# KiCad board VME_Protoboard_220.kicad_pcb (continued)
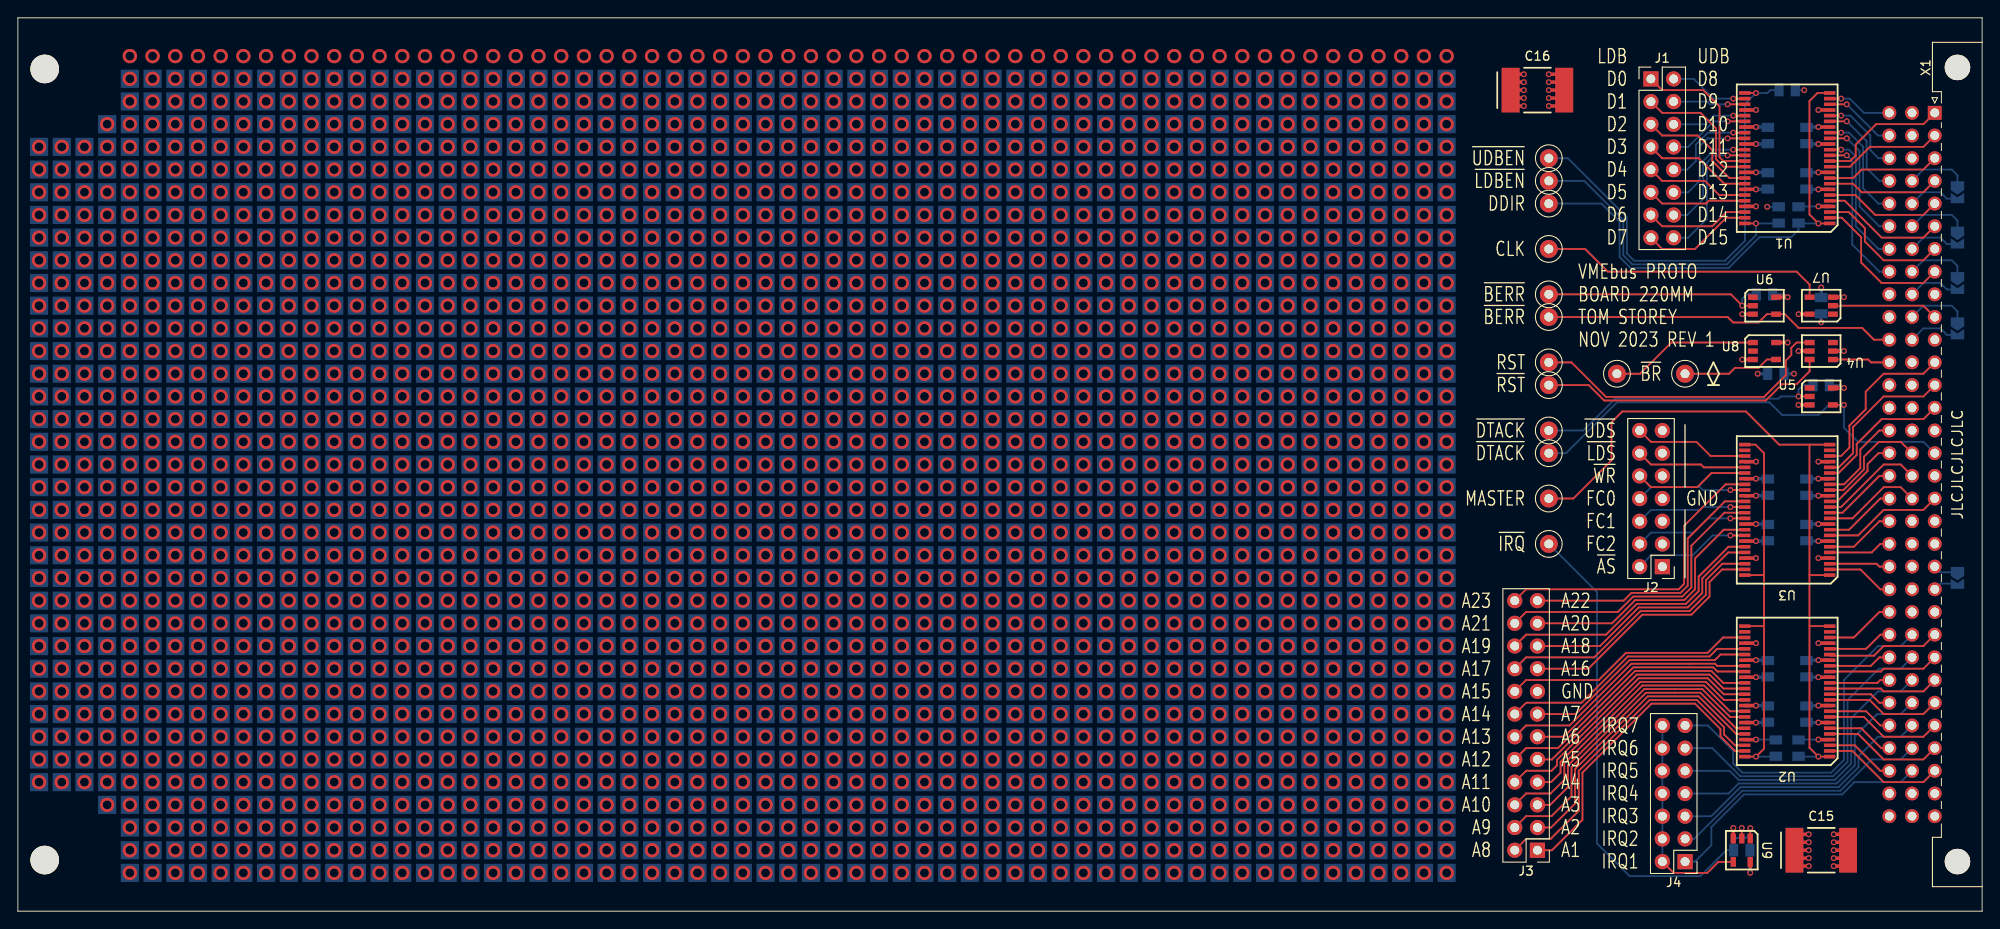
[diagram p0: board, top side]
## Routing (per net, layer and track width the routed paths; a pad name or vN(x,y) marks a point on that pad's centre or on a via; arc(x,y) is an arc through that point) (continued)
  vias: v1(2.37,85.56) v1(2.37,83.02) v1(2.37,80.48) v1(2.37,77.94) v1(2.37,75.4) v1(2.37,72.86) v1(2.37,70.32) v1(2.37,67.78) v1(2.37,65.24) v1(2.37,62.7) v1(2.37,60.16) v1(2.37,57.62) v1(2.37,55.08) v1(2.37,52.54) v1(2.37,50) v1(2.37,47.46) v1(2.37,44.92) v1(2.37,42.38) v1(2.37,39.84) v1(2.37,37.3) v1(2.37,34.76) v1(2.37,32.22) v1(2.37,29.68) v1(2.37,27.14) v1(2.37,24.6) v1(2.37,22.06) v1(2.37,19.52) v1(2.37,16.98) v1(2.37,14.44) v1(4.91,85.56) v1(4.91,83.02) v1(4.91,80.48) v1(4.91,77.94) v1(4.91,75.4) v1(4.91,72.86) v1(4.91,70.32) v1(4.91,67.78) v1(4.91,65.24) v1(4.91,62.7) v1(4.91,60.16) v1(4.91,57.62) v1(4.91,55.08) v1(4.91,52.54) v1(4.91,50) v1(4.91,47.46) v1(4.91,44.92) v1(4.91,42.38) v1(4.91,39.84) v1(4.91,37.3) v1(4.91,34.76) v1(4.91,32.22) v1(4.91,29.68) v1(4.91,27.14) v1(4.91,24.6) v1(4.91,22.06) v1(4.91,19.52) v1(4.91,16.98) v1(4.91,14.44) v1(7.45,85.56) v1(7.45,83.02) v1(7.45,80.48) v1(7.45,77.94) v1(7.45,75.4) v1(7.45,72.86) v1(7.45,70.32) v1(7.45,67.78) v1(7.45,65.24) v1(7.45,62.7) v1(7.45,60.16) v1(7.45,57.62) v1(7.45,55.08) v1(7.45,52.54) v1(7.45,50) v1(7.45,47.46) v1(7.45,44.92) v1(7.45,42.38) v1(7.45,39.84) v1(7.45,37.3) v1(7.45,34.76) v1(7.45,32.22) v1(7.45,29.68) v1(7.45,27.14) v1(7.45,24.6) v1(7.45,22.06) v1(7.45,19.52) v1(7.45,16.98) v1(7.45,14.44) v1(9.99,88.1) v1(9.99,85.56) v1(9.99,83.02) v1(9.99,80.48) v1(9.99,77.94) v1(9.99,75.4) v1(9.99,72.86) v1(9.99,70.32) v1(9.99,67.78) v1(9.99,65.24) v1(9.99,62.7) v1(9.99,60.16) v1(9.99,57.62) v1(9.99,55.08) v1(9.99,52.54) v1(9.99,50) v1(9.99,47.46) v1(9.99,44.92) v1(9.99,42.38) v1(9.99,39.84) v1(9.99,37.3) v1(9.99,34.76) v1(9.99,32.22) v1(9.99,29.68) v1(9.99,27.14) v1(9.99,24.6) v1(9.99,22.06) v1(9.99,19.52) v1(9.99,16.98) v1(9.99,14.44) v1(9.99,11.9) v1(12.53,93.18) v1(12.53,90.64) v1(12.53,88.1) v1(12.53,85.56) v1(12.53,83.02) v1(12.53,80.48) v1(12.53,77.94) v1(12.53,75.4) v1(12.53,72.86) v1(12.53,70.32) v1(12.53,67.78) v1(12.53,65.24) v1(12.53,62.7) v1(12.53,60.16) v1(12.53,57.62) v1(12.53,55.08) v1(12.53,52.54) v1(12.53,50) v1(12.53,47.46) v1(12.53,44.92) v1(12.53,42.38) v1(12.53,39.84) v1(12.53,37.3) v1(12.53,34.76) v1(12.53,32.22) v1(12.53,29.68) v1(12.53,27.14) v1(12.53,24.6) v1(12.53,22.06) v1(12.53,19.52) v1(12.53,16.98) v1(12.53,14.44) v1(12.53,11.9) v1(12.53,9.36) v1(12.53,6.82) v1(15.07,93.18) v1(15.07,90.64) v1(15.07,88.1) v1(15.07,85.56) v1(15.07,83.02) v1(15.07,80.48) v1(15.07,77.94) v1(15.07,75.4) v1(15.07,72.86) v1(15.07,70.32) v1(15.07,67.78) v1(15.07,65.24) v1(15.07,62.7) v1(15.07,60.16) v1(15.07,57.62) v1(15.07,55.08) v1(15.07,52.54) v1(15.07,50) v1(15.07,47.46) v1(15.07,44.92) v1(15.07,42.38) v1(15.07,39.84) v1(15.07,37.3) v1(15.07,34.76) v1(15.07,32.22) v1(15.07,29.68) v1(15.07,27.14) v1(15.07,24.6) v1(15.07,22.06) v1(15.07,19.52) v1(15.07,16.98) v1(15.07,14.44) v1(15.07,11.9) v1(15.07,9.36) v1(15.07,6.82) v1(17.61,93.18) v1(17.61,90.64) v1(17.61,88.1) v1(17.61,85.56) v1(17.61,83.02) v1(17.61,80.48) v1(17.61,77.94) v1(17.61,75.4) v1(17.61,72.86) v1(17.61,70.32) v1(17.61,67.78) v1(17.61,65.24) v1(17.61,62.7) v1(17.61,60.16) v1(17.61,57.62) v1(17.61,55.08) v1(17.61,52.54) v1(17.61,50) v1(17.61,47.46) v1(17.61,44.92) v1(17.61,42.38) v1(17.61,39.84) v1(17.61,37.3) v1(17.61,34.76) v1(17.61,32.22) v1(17.61,29.68) v1(17.61,27.14) v1(17.61,24.6) v1(17.61,22.06) v1(17.61,19.52) v1(17.61,16.98) v1(17.61,14.44) v1(17.61,11.9) v1(17.61,9.36) v1(17.61,6.82) v1(20.15,93.18) v1(20.15,90.64) v1(20.15,88.1) v1(20.15,85.56) v1(20.15,83.02) v1(20.15,80.48) v1(20.15,77.94) v1(20.15,75.4) v1(20.15,72.86) v1(20.15,70.32) v1(20.15,67.78) v1(20.15,65.24) v1(20.15,62.7) v1(20.15,60.16) v1(20.15,57.62) v1(20.15,55.08) v1(20.15,52.54) v1(20.15,50) v1(20.15,47.46) v1(20.15,44.92) v1(20.15,42.38) v1(20.15,39.84) v1(20.15,37.3) v1(20.15,34.76) v1(20.15,32.22) v1(20.15,29.68) v1(20.15,27.14) v1(20.15,24.6) v1(20.15,22.06) v1(20.15,19.52) v1(20.15,16.98) v1(20.15,14.44) v1(20.15,11.9) v1(20.15,9.36) v1(20.15,6.82) v1(22.69,93.18) v1(22.69,90.64) v1(22.69,88.1) v1(22.69,85.56) v1(22.69,83.02) v1(22.69,80.48) v1(22.69,77.94) v1(22.69,75.4) v1(22.69,72.86) v1(22.69,70.32) v1(22.69,67.78) v1(22.69,65.24) v1(22.69,62.7) v1(22.69,60.16) v1(22.69,57.62) v1(22.69,55.08) v1(22.69,52.54) v1(22.69,50) v1(22.69,47.46) v1(22.69,44.92) v1(22.69,42.38) v1(22.69,39.84) v1(22.69,37.3) v1(22.69,34.76) v1(22.69,32.22) v1(22.69,29.68) v1(22.69,27.14) v1(22.69,24.6) v1(22.69,22.06) v1(22.69,19.52) v1(22.69,16.98) v1(22.69,14.44) v1(22.69,11.9) v1(22.69,9.36) v1(22.69,6.82) v1(25.23,93.18) v1(25.23,90.64) v1(25.23,88.1) v1(25.23,85.56) v1(25.23,83.02) v1(25.23,80.48) v1(25.23,77.94) v1(25.23,75.4) v1(25.23,72.86) v1(25.23,70.32) v1(25.23,67.78) v1(25.23,65.24) v1(25.23,62.7) v1(25.23,60.16) v1(25.23,57.62) v1(25.23,55.08) v1(25.23,52.54) v1(25.23,50) v1(25.23,47.46) v1(25.23,44.92) v1(25.23,42.38) v1(25.23,39.84) v1(25.23,37.3) v1(25.23,34.76) v1(25.23,32.22) v1(25.23,29.68) v1(25.23,27.14) v1(25.23,24.6) v1(25.23,22.06) v1(25.23,19.52) v1(25.23,16.98) v1(25.23,14.44) v1(25.23,11.9) v1(25.23,9.36) v1(25.23,6.82) v1(27.77,93.18) v1(27.77,90.64) v1(27.77,88.1) v1(27.77,85.56) v1(27.77,83.02) v1(27.77,80.48) v1(27.77,77.94) v1(27.77,75.4) v1(27.77,72.86) v1(27.77,70.32) v1(27.77,67.78) v1(27.77,65.24) v1(27.77,62.7) v1(27.77,60.16) v1(27.77,57.62) v1(27.77,55.08) v1(27.77,52.54) v1(27.77,50) v1(27.77,47.46) v1(27.77,44.92) v1(27.77,42.38) v1(27.77,39.84) v1(27.77,37.3) v1(27.77,34.76) v1(27.77,32.22) v1(27.77,29.68) v1(27.77,27.14) v1(27.77,24.6) v1(27.77,22.06) v1(27.77,19.52) v1(27.77,16.98) v1(27.77,14.44) v1(27.77,11.9) v1(27.77,9.36) v1(27.77,6.82) v1(30.31,93.18) v1(30.31,90.64) v1(30.31,88.1) v1(30.31,85.56) v1(30.31,83.02) v1(30.31,80.48) v1(30.31,77.94) v1(30.31,75.4) v1(30.31,72.86) v1(30.31,70.32) v1(30.31,67.78) v1(30.31,65.24) v1(30.31,62.7) v1(30.31,60.16) v1(30.31,57.62) v1(30.31,55.08) v1(30.31,52.54) v1(30.31,50) v1(30.31,47.46) v1(30.31,44.92) v1(30.31,42.38) v1(30.31,39.84) v1(30.31,37.3) v1(30.31,34.76) v1(30.31,32.22) v1(30.31,29.68) v1(30.31,27.14) v1(30.31,24.6) v1(30.31,22.06) v1(30.31,19.52) v1(30.31,16.98) v1(30.31,14.44) v1(30.31,11.9) v1(30.31,9.36) v1(30.31,6.82) v1(32.85,93.18) v1(32.85,90.64) v1(32.85,88.1) v1(32.85,85.56) v1(32.85,83.02) v1(32.85,80.48) v1(32.85,77.94) v1(32.85,75.4) v1(32.85,72.86) v1(32.85,70.32) v1(32.85,67.78) v1(32.85,65.24) v1(32.85,62.7) v1(32.85,60.16) v1(32.85,57.62) v1(32.85,55.08) v1(32.85,52.54) v1(32.85,50) v1(32.85,47.46) v1(32.85,44.92) v1(32.85,42.38) v1(32.85,39.84) v1(32.85,37.3) v1(32.85,34.76) v1(32.85,32.22) v1(32.85,29.68) v1(32.85,27.14) v1(32.85,24.6) v1(32.85,22.06) v1(32.85,19.52) v1(32.85,16.98) v1(32.85,14.44) v1(32.85,11.9) v1(32.85,9.36) v1(32.85,6.82) v1(35.39,93.18) v1(35.39,90.64) v1(35.39,88.1) v1(35.39,85.56) v1(35.39,83.02) v1(35.39,80.48) v1(35.39,77.94) v1(35.39,75.4) v1(35.39,72.86) v1(35.39,70.32) v1(35.39,67.78) v1(35.39,65.24) v1(35.39,62.7) v1(35.39,60.16) v1(35.39,57.62) v1(35.39,55.08) v1(35.39,52.54) v1(35.39,50) v1(35.39,47.46) v1(35.39,44.92) v1(35.39,42.38) v1(35.39,39.84) v1(35.39,37.3) v1(35.39,34.76) v1(35.39,32.22) v1(35.39,29.68) v1(35.39,27.14) v1(35.39,24.6) v1(35.39,22.06) v1(35.39,19.52) v1(35.39,16.98) v1(35.39,14.44) v1(35.39,11.9) v1(35.39,9.36) v1(35.39,6.82) v1(37.93,93.18) v1(37.93,90.64) v1(37.93,88.1) v1(37.93,85.56) v1(37.93,83.02) v1(37.93,80.48) v1(37.93,77.94) v1(37.93,75.4) v1(37.93,72.86) v1(37.93,70.32) v1(37.93,67.78) v1(37.93,65.24) v1(37.93,62.7) v1(37.93,60.16) v1(37.93,57.62) v1(37.93,55.08) v1(37.93,52.54) v1(37.93,50) v1(37.93,47.46) v1(37.93,44.92) v1(37.93,42.38) v1(37.93,39.84) v1(37.93,37.3) v1(37.93,34.76) v1(37.93,32.22) v1(37.93,29.68) v1(37.93,27.14) v1(37.93,24.6) v1(37.93,22.06) v1(37.93,19.52) v1(37.93,16.98) v1(37.93,14.44) v1(37.93,11.9) v1(37.93,9.36) v1(37.93,6.82) v1(40.47,93.18) v1(40.47,90.64) v1(40.47,88.1) v1(40.47,85.56) v1(40.47,83.02) v1(40.47,80.48) v1(40.47,77.94) v1(40.47,75.4) v1(40.47,72.86) v1(40.47,70.32) v1(40.47,67.78) v1(40.47,65.24) v1(40.47,62.7) v1(40.47,60.16) v1(40.47,57.62) v1(40.47,55.08) v1(40.47,52.54) v1(40.47,50) v1(40.47,47.46) v1(40.47,44.92) v1(40.47,42.38) v1(40.47,39.84) v1(40.47,37.3) v1(40.47,34.76) v1(40.47,32.22) v1(40.47,29.68) v1(40.47,27.14) v1(40.47,24.6) v1(40.47,22.06) v1(40.47,19.52) v1(40.47,16.98) v1(40.47,14.44) v1(40.47,11.9) v1(40.47,9.36) v1(40.47,6.82) v1(43.01,93.18) v1(43.01,90.64) v1(43.01,88.1) v1(43.01,85.56) v1(43.01,83.02) v1(43.01,80.48) v1(43.01,77.94) v1(43.01,75.4) v1(43.01,72.86) v1(43.01,70.32) v1(43.01,67.78) v1(43.01,65.24) v1(43.01,62.7) v1(43.01,60.16) v1(43.01,57.62) v1(43.01,55.08) v1(43.01,52.54) v1(43.01,50) v1(43.01,47.46) v1(43.01,44.92) v1(43.01,42.38) v1(43.01,39.84) v1(43.01,37.3) v1(43.01,34.76) v1(43.01,32.22) v1(43.01,29.68) v1(43.01,27.14) v1(43.01,24.6) v1(43.01,22.06) v1(43.01,19.52) v1(43.01,16.98) v1(43.01,14.44) v1(43.01,11.9) v1(43.01,9.36) v1(43.01,6.82) v1(45.55,93.18) v1(45.55,90.64) v1(45.55,88.1) v1(45.55,85.56) v1(45.55,83.02) v1(45.55,80.48) v1(45.55,77.94) v1(45.55,75.4) v1(45.55,72.86) v1(45.55,70.32) v1(45.55,67.78) v1(45.55,65.24) v1(45.55,62.7) v1(45.55,60.16) v1(45.55,57.62) v1(45.55,55.08) v1(45.55,52.54) v1(45.55,50) v1(45.55,47.46) v1(45.55,44.92) v1(45.55,42.38) v1(45.55,39.84) v1(45.55,37.3) v1(45.55,34.76) v1(45.55,32.22) v1(45.55,29.68) v1(45.55,27.14) v1(45.55,24.6) v1(45.55,22.06) v1(45.55,19.52) v1(45.55,16.98) v1(45.55,14.44) v1(45.55,11.9) v1(45.55,9.36) v1(45.55,6.82) v1(48.09,93.18) v1(48.09,90.64) v1(48.09,88.1) v1(48.09,85.56) v1(48.09,83.02) v1(48.09,80.48) v1(48.09,77.94) v1(48.09,75.4) v1(48.09,72.86) v1(48.09,70.32) v1(48.09,67.78) v1(48.09,65.24) v1(48.09,62.7) v1(48.09,60.16) v1(48.09,57.62) v1(48.09,55.08) v1(48.09,52.54) v1(48.09,50) v1(48.09,47.46) v1(48.09,44.92) v1(48.09,42.38) v1(48.09,39.84) v1(48.09,37.3) v1(48.09,34.76) v1(48.09,32.22) v1(48.09,29.68) v1(48.09,27.14) v1(48.09,24.6) v1(48.09,22.06) v1(48.09,19.52) v1(48.09,16.98) v1(48.09,14.44) v1(48.09,11.9) v1(48.09,9.36) v1(48.09,6.82) v1(50.63,93.18) v1(50.63,90.64) v1(50.63,88.1) v1(50.63,85.56) v1(50.63,83.02) v1(50.63,80.48) v1(50.63,77.94) v1(50.63,75.4) v1(50.63,72.86) v1(50.63,70.32) v1(50.63,67.78) v1(50.63,65.24) v1(50.63,62.7) v1(50.63,60.16) v1(50.63,57.62) v1(50.63,55.08) v1(50.63,52.54) v1(50.63,50) v1(50.63,47.46) v1(50.63,44.92) v1(50.63,42.38) v1(50.63,39.84) v1(50.63,37.3) v1(50.63,34.76) v1(50.63,32.22) v1(50.63,29.68) v1(50.63,27.14) v1(50.63,24.6) v1(50.63,22.06) v1(50.63,19.52) v1(50.63,16.98) v1(50.63,14.44) v1(50.63,11.9) v1(50.63,9.36) v1(50.63,6.82) v1(53.17,93.18) v1(53.17,90.64) v1(53.17,88.1) v1(53.17,85.56) v1(53.17,83.02) v1(53.17,80.48) v1(53.17,77.94) v1(53.17,75.4) v1(53.17,72.86) v1(53.17,70.32) v1(53.17,67.78) v1(53.17,65.24) v1(53.17,62.7) v1(53.17,60.16) v1(53.17,57.62) v1(53.17,55.08) v1(53.17,52.54) v1(53.17,50) v1(53.17,47.46) v1(53.17,44.92) v1(53.17,42.38) v1(53.17,39.84) v1(53.17,37.3) v1(53.17,34.76) v1(53.17,32.22) v1(53.17,29.68) v1(53.17,27.14) v1(53.17,24.6) v1(53.17,22.06) v1(53.17,19.52) v1(53.17,16.98) v1(53.17,14.44) v1(53.17,11.9) v1(53.17,9.36) v1(53.17,6.82) v1(55.71,93.18) v1(55.71,90.64) v1(55.71,88.1) v1(55.71,85.56) v1(55.71,83.02) v1(55.71,80.48) v1(55.71,77.94) v1(55.71,75.4) v1(55.71,72.86) v1(55.71,70.32) v1(55.71,67.78) v1(55.71,65.24) v1(55.71,62.7) v1(55.71,60.16) v1(55.71,57.62) v1(55.71,55.08) v1(55.71,52.54) v1(55.71,50) v1(55.71,47.46) v1(55.71,44.92) v1(55.71,42.38) v1(55.71,39.84) v1(55.71,37.3) v1(55.71,34.76) v1(55.71,32.22) v1(55.71,29.68) v1(55.71,27.14) v1(55.71,24.6) v1(55.71,22.06) v1(55.71,19.52) v1(55.71,16.98) v1(55.71,14.44) v1(55.71,11.9) v1(55.71,9.36) v1(55.71,6.82) v1(58.25,93.18) v1(58.25,90.64) v1(58.25,88.1) v1(58.25,85.56) v1(58.25,83.02) v1(58.25,80.48) v1(58.25,77.94) v1(58.25,75.4) v1(58.25,72.86) v1(58.25,70.32) v1(58.25,67.78) v1(58.25,65.24) v1(58.25,62.7) v1(58.25,60.16) v1(58.25,57.62) v1(58.25,55.08) v1(58.25,52.54) v1(58.25,50) v1(58.25,47.46) v1(58.25,44.92) v1(58.25,42.38) v1(58.25,39.84) v1(58.25,37.3) v1(58.25,34.76) v1(58.25,32.22) v1(58.25,29.68) v1(58.25,27.14) v1(58.25,24.6) v1(58.25,22.06) v1(58.25,19.52) v1(58.25,16.98) v1(58.25,14.44) v1(58.25,11.9) v1(58.25,9.36) v1(58.25,6.82) v1(60.79,93.18) v1(60.79,90.64) v1(60.79,88.1) v1(60.79,85.56) v1(60.79,83.02) v1(60.79,80.48) v1(60.79,77.94) v1(60.79,75.4) v1(60.79,72.86) v1(60.79,70.32) v1(60.79,67.78) v1(60.79,65.24) v1(60.79,62.7) v1(60.79,60.16) v1(60.79,57.62) v1(60.79,55.08) v1(60.79,52.54) v1(60.79,50) v1(60.79,47.46) v1(60.79,44.92) v1(60.79,42.38) v1(60.79,39.84) v1(60.79,37.3) v1(60.79,34.76) v1(60.79,32.22) v1(60.79,29.68) v1(60.79,27.14) v1(60.79,24.6) v1(60.79,22.06) v1(60.79,19.52) v1(60.79,16.98) v1(60.79,14.44) v1(60.79,11.9) v1(60.79,9.36) v1(60.79,6.82) v1(63.33,93.18) v1(63.33,90.64) v1(63.33,88.1) v1(63.33,85.56) v1(63.33,83.02) v1(63.33,80.48) v1(63.33,77.94) v1(63.33,75.4) v1(63.33,72.86) v1(63.33,70.32) v1(63.33,67.78) v1(63.33,65.24) v1(63.33,62.7) v1(63.33,60.16) v1(63.33,57.62) v1(63.33,55.08) v1(63.33,52.54) v1(63.33,50) v1(63.33,47.46) v1(63.33,44.92) v1(63.33,42.38) v1(63.33,39.84) v1(63.33,37.3) v1(63.33,34.76) v1(63.33,32.22) v1(63.33,29.68) v1(63.33,27.14) v1(63.33,24.6) v1(63.33,22.06) v1(63.33,19.52) v1(63.33,16.98) v1(63.33,14.44) v1(63.33,11.9) v1(63.33,9.36) v1(63.33,6.82) v1(65.87,93.18) v1(65.87,90.64) v1(65.87,88.1) v1(65.87,85.56) v1(65.87,83.02) v1(65.87,80.48) v1(65.87,77.94) v1(65.87,75.4) v1(65.87,72.86) v1(65.87,70.32) v1(65.87,67.78) v1(65.87,65.24) v1(65.87,62.7) v1(65.87,60.16) v1(65.87,57.62) v1(65.87,55.08) v1(65.87,52.54) v1(65.87,50) v1(65.87,47.46) v1(65.87,44.92) v1(65.87,42.38) v1(65.87,39.84) v1(65.87,37.3) v1(65.87,34.76) v1(65.87,32.22) v1(65.87,29.68) v1(65.87,27.14) v1(65.87,24.6) v1(65.87,22.06) v1(65.87,19.52) v1(65.87,16.98) v1(65.87,14.44) v1(65.87,11.9) v1(65.87,9.36) v1(65.87,6.82) v1(68.41,93.18) v1(68.41,90.64) v1(68.41,88.1) v1(68.41,85.56) v1(68.41,83.02) v1(68.41,80.48) v1(68.41,77.94) v1(68.41,75.4) v1(68.41,72.86) v1(68.41,70.32) v1(68.41,67.78) v1(68.41,65.24) v1(68.41,62.7) v1(68.41,60.16) v1(68.41,57.62) v1(68.41,55.08) v1(68.41,52.54) v1(68.41,50) v1(68.41,47.46) v1(68.41,44.92) v1(68.41,42.38) v1(68.41,39.84) v1(68.41,37.3) v1(68.41,34.76) v1(68.41,32.22) v1(68.41,29.68) v1(68.41,27.14) v1(68.41,24.6) v1(68.41,22.06) v1(68.41,19.52) v1(68.41,16.98) v1(68.41,14.44) v1(68.41,11.9) v1(68.41,9.36) v1(68.41,6.82) v1(70.95,93.18) v1(70.95,90.64) v1(70.95,88.1) v1(70.95,85.56) v1(70.95,83.02) v1(70.95,80.48) v1(70.95,77.94) v1(70.95,75.4) v1(70.95,72.86) v1(70.95,70.32) v1(70.95,67.78) v1(70.95,65.24) v1(70.95,62.7) v1(70.95,60.16) v1(70.95,57.62) v1(70.95,55.08) v1(70.95,52.54) v1(70.95,50) v1(70.95,47.46) v1(70.95,44.92) v1(70.95,42.38) v1(70.95,39.84) v1(70.95,37.3) v1(70.95,34.76) v1(70.95,32.22) v1(70.95,29.68) v1(70.95,27.14) v1(70.95,24.6) v1(70.95,22.06) v1(70.95,19.52) v1(70.95,16.98) v1(70.95,14.44) v1(70.95,11.9) v1(70.95,9.36) v1(70.95,6.82) v1(73.49,93.18) v1(73.49,90.64) v1(73.49,88.1) v1(73.49,85.56) v1(73.49,83.02) v1(73.49,80.48) v1(73.49,77.94) v1(73.49,75.4) v1(73.49,72.86) v1(73.49,70.32) v1(73.49,67.78) v1(73.49,65.24) v1(73.49,62.7) v1(73.49,60.16) v1(73.49,57.62) v1(73.49,55.08) v1(73.49,52.54) v1(73.49,50) v1(73.49,47.46) v1(73.49,44.92) v1(73.49,42.38) v1(73.49,39.84) v1(73.49,37.3) v1(73.49,34.76) v1(73.49,32.22) v1(73.49,29.68) v1(73.49,27.14) v1(73.49,24.6) v1(73.49,22.06) v1(73.49,19.52) v1(73.49,16.98) v1(73.49,14.44) v1(73.49,11.9) v1(73.49,9.36) v1(73.49,6.82) v1(76.03,93.18) v1(76.03,90.64) v1(76.03,88.1) v1(76.03,85.56) v1(76.03,83.02) v1(76.03,80.48) v1(76.03,77.94) v1(76.03,75.4) v1(76.03,72.86) v1(76.03,70.32) v1(76.03,67.78) v1(76.03,65.24) v1(76.03,62.7) v1(76.03,60.16) v1(76.03,57.62) v1(76.03,55.08) v1(76.03,52.54) v1(76.03,50) v1(76.03,47.46) v1(76.03,44.92) v1(76.03,42.38) v1(76.03,39.84) v1(76.03,37.3) v1(76.03,34.76) v1(76.03,32.22) v1(76.03,29.68) v1(76.03,27.14) v1(76.03,24.6) v1(76.03,22.06) v1(76.03,19.52) v1(76.03,16.98) v1(76.03,14.44) v1(76.03,11.9) v1(76.03,9.36) v1(76.03,6.82) v1(78.57,93.18) v1(78.57,90.64) v1(78.57,88.1) v1(78.57,85.56) v1(78.57,83.02) v1(78.57,80.48) v1(78.57,77.94) v1(78.57,75.4) v1(78.57,72.86) v1(78.57,70.32) v1(78.57,67.78) v1(78.57,65.24) v1(78.57,62.7) v1(78.57,60.16) v1(78.57,57.62) v1(78.57,55.08) v1(78.57,52.54) v1(78.57,50) v1(78.57,47.46) v1(78.57,44.92) v1(78.57,42.38) v1(78.57,39.84) v1(78.57,37.3) v1(78.57,34.76) v1(78.57,32.22) v1(78.57,29.68) v1(78.57,27.14) v1(78.57,24.6) v1(78.57,22.06) v1(78.57,19.52) v1(78.57,16.98) v1(78.57,14.44) v1(78.57,11.9) v1(78.57,9.36) v1(78.57,6.82) v1(81.11,93.18) v1(81.11,90.64) v1(81.11,88.1) v1(81.11,85.56) v1(81.11,83.02) v1(81.11,80.48) v1(81.11,77.94) v1(81.11,75.4) v1(81.11,72.86) v1(81.11,70.32) v1(81.11,67.78) v1(81.11,65.24) v1(81.11,62.7) v1(81.11,60.16) v1(81.11,57.62) v1(81.11,55.08) v1(81.11,52.54) v1(81.11,50) v1(81.11,47.46) v1(81.11,44.92) v1(81.11,42.38) v1(81.11,39.84) v1(81.11,37.3) v1(81.11,34.76) v1(81.11,32.22) v1(81.11,29.68) v1(81.11,27.14) v1(81.11,24.6) v1(81.11,22.06) v1(81.11,19.52) v1(81.11,16.98) v1(81.11,14.44) v1(81.11,11.9) v1(81.11,9.36) v1(81.11,6.82) v1(83.65,93.18) v1(83.65,90.64) v1(83.65,88.1) v1(83.65,85.56) v1(83.65,83.02) v1(83.65,80.48) v1(83.65,77.94) v1(83.65,75.4) v1(83.65,72.86) v1(83.65,70.32) v1(83.65,67.78) v1(83.65,65.24) v1(83.65,62.7) v1(83.65,60.16) v1(83.65,57.62) v1(83.65,55.08) v1(83.65,52.54) v1(83.65,50) v1(83.65,47.46) v1(83.65,44.92) v1(83.65,42.38) v1(83.65,39.84) v1(83.65,37.3) v1(83.65,34.76) v1(83.65,32.22) v1(83.65,29.68) v1(83.65,27.14) v1(83.65,24.6) v1(83.65,22.06) v1(83.65,19.52) v1(83.65,16.98) v1(83.65,14.44) v1(83.65,11.9) v1(83.65,9.36) v1(83.65,6.82) v1(86.19,93.18) v1(86.19,90.64) v1(86.19,88.1) v1(86.19,85.56) v1(86.19,83.02) v1(86.19,80.48) v1(86.19,77.94) v1(86.19,75.4) v1(86.19,72.86) v1(86.19,70.32) v1(86.19,67.78) v1(86.19,65.24) v1(86.19,62.7) v1(86.19,60.16) v1(86.19,57.62) v1(86.19,55.08) v1(86.19,52.54) v1(86.19,50) v1(86.19,47.46) v1(86.19,44.92) v1(86.19,42.38) v1(86.19,39.84) v1(86.19,37.3) v1(86.19,34.76) v1(86.19,32.22) v1(86.19,29.68) v1(86.19,27.14) v1(86.19,24.6) v1(86.19,22.06) v1(86.19,19.52) v1(86.19,16.98) v1(86.19,14.44) v1(86.19,11.9) v1(86.19,9.36) v1(86.19,6.82) v1(88.73,93.18) v1(88.73,90.64) v1(88.73,88.1) v1(88.73,85.56) v1(88.73,83.02) v1(88.73,80.48) v1(88.73,77.94) v1(88.73,75.4) v1(88.73,72.86) v1(88.73,70.32) v1(88.73,67.78) v1(88.73,65.24) v1(88.73,62.7) v1(88.73,60.16) v1(88.73,57.62) v1(88.73,55.08) v1(88.73,52.54) v1(88.73,50) v1(88.73,47.46) v1(88.73,44.92) v1(88.73,42.38) v1(88.73,39.84) v1(88.73,37.3) v1(88.73,34.76) v1(88.73,32.22) v1(88.73,29.68) v1(88.73,27.14) v1(88.73,24.6) v1(88.73,22.06) v1(88.73,19.52) v1(88.73,16.98) v1(88.73,14.44) v1(88.73,11.9) v1(88.73,9.36) v1(88.73,6.82) v1(91.27,93.18) v1(91.27,90.64) v1(91.27,88.1) v1(91.27,85.56) v1(91.27,83.02) v1(91.27,80.48) v1(91.27,77.94) v1(91.27,75.4) v1(91.27,72.86) v1(91.27,70.32) v1(91.27,67.78) v1(91.27,65.24) v1(91.27,62.7) v1(91.27,60.16) v1(91.27,57.62) v1(91.27,55.08) v1(91.27,52.54) v1(91.27,50) v1(91.27,47.46) v1(91.27,44.92) v1(91.27,42.38) v1(91.27,39.84) v1(91.27,37.3) v1(91.27,34.76) v1(91.27,32.22) v1(91.27,29.68) v1(91.27,27.14) v1(91.27,24.6) v1(91.27,22.06) v1(91.27,19.52) v1(91.27,16.98) v1(91.27,14.44) v1(91.27,11.9) v1(91.27,9.36) v1(91.27,6.82) v1(93.81,93.18) v1(93.81,90.64) v1(93.81,88.1) v1(93.81,85.56) v1(93.81,83.02) v1(93.81,80.48) v1(93.81,77.94) v1(93.81,75.4) v1(93.81,72.86) v1(93.81,70.32) v1(93.81,67.78) v1(93.81,65.24) v1(93.81,62.7) v1(93.81,60.16) v1(93.81,57.62) v1(93.81,55.08) v1(93.81,52.54) v1(93.81,50) v1(93.81,47.46) v1(93.81,44.92) v1(93.81,42.38) v1(93.81,39.84) v1(93.81,37.3) v1(93.81,34.76) v1(93.81,32.22) v1(93.81,29.68) v1(93.81,27.14) v1(93.81,24.6) v1(93.81,22.06) v1(93.81,19.52) v1(93.81,16.98) v1(93.81,14.44) v1(93.81,11.9) v1(93.81,9.36) v1(93.81,6.82) v1(96.35,93.18) v1(96.35,90.64) v1(96.35,88.1) v1(96.35,85.56) v1(96.35,83.02) v1(96.35,80.48) v1(96.35,77.94) v1(96.35,75.4) v1(96.35,72.86) v1(96.35,70.32) v1(96.35,67.78) v1(96.35,65.24) v1(96.35,62.7) v1(96.35,60.16) v1(96.35,57.62) v1(96.35,55.08) v1(96.35,52.54) v1(96.35,50) v1(96.35,47.46) v1(96.35,44.92) v1(96.35,42.38) v1(96.35,39.84) v1(96.35,37.3) v1(96.35,34.76) v1(96.35,32.22) v1(96.35,29.68) v1(96.35,27.14) v1(96.35,24.6) v1(96.35,22.06) v1(96.35,19.52) v1(96.35,16.98) v1(96.35,14.44) v1(96.35,11.9) v1(96.35,9.36) v1(96.35,6.82) v1(98.89,93.18) v1(98.89,90.64) v1(98.89,88.1) v1(98.89,85.56) v1(98.89,83.02) v1(98.89,80.48) v1(98.89,77.94) v1(98.89,75.4) v1(98.89,72.86) v1(98.89,70.32) v1(98.89,67.78) v1(98.89,65.24) v1(98.89,62.7) v1(98.89,60.16) v1(98.89,57.62) v1(98.89,55.08) v1(98.89,52.54) v1(98.89,50) v1(98.89,47.46) v1(98.89,44.92) v1(98.89,42.38) v1(98.89,39.84) v1(98.89,37.3) v1(98.89,34.76) v1(98.89,32.22) v1(98.89,29.68) v1(98.89,27.14) v1(98.89,24.6) v1(98.89,22.06) v1(98.89,19.52) v1(98.89,16.98) v1(98.89,14.44) v1(98.89,11.9) v1(98.89,9.36) v1(98.89,6.82) v1(101.43,93.18) v1(101.43,90.64) v1(101.43,88.1) v1(101.43,85.56) v1(101.43,83.02) v1(101.43,80.48) v1(101.43,77.94) v1(101.43,75.4) v1(101.43,72.86) v1(101.43,70.32) v1(101.43,67.78) v1(101.43,65.24) v1(101.43,62.7) v1(101.43,60.16) v1(101.43,57.62) v1(101.43,55.08) v1(101.43,52.54) v1(101.43,50) v1(101.43,47.46) v1(101.43,44.92) v1(101.43,42.38) v1(101.43,39.84) v1(101.43,37.3) v1(101.43,34.76) v1(101.43,32.22) v1(101.43,29.68) v1(101.43,27.14) v1(101.43,24.6) v1(101.43,22.06) v1(101.43,19.52) v1(101.43,16.98) v1(101.43,14.44) v1(101.43,11.9) v1(101.43,9.36) v1(101.43,6.82) v1(103.97,93.18) v1(103.97,90.64) v1(103.97,88.1) v1(103.97,85.56) v1(103.97,83.02) v1(103.97,80.48) v1(103.97,77.94) v1(103.97,75.4) v1(103.97,72.86) v1(103.97,70.32) v1(103.97,67.78) v1(103.97,65.24) v1(103.97,62.7) v1(103.97,60.16) v1(103.97,57.62) v1(103.97,55.08) v1(103.97,52.54) v1(103.97,50) v1(103.97,47.46) v1(103.97,44.92) v1(103.97,42.38) v1(103.97,39.84) v1(103.97,37.3) v1(103.97,34.76) v1(103.97,32.22) v1(103.97,29.68) v1(103.97,27.14) v1(103.97,24.6) v1(103.97,22.06) v1(103.97,19.52) v1(103.97,16.98) v1(103.97,14.44) v1(103.97,11.9) v1(103.97,9.36) v1(103.97,6.82) v1(106.51,93.18) v1(106.51,90.64) v1(106.51,88.1) v1(106.51,85.56) v1(106.51,83.02) v1(106.51,80.48) v1(106.51,77.94) v1(106.51,75.4) v1(106.51,72.86) v1(106.51,70.32) v1(106.51,67.78) v1(106.51,65.24) v1(106.51,62.7) v1(106.51,60.16) v1(106.51,57.62) v1(106.51,55.08) v1(106.51,52.54) v1(106.51,50) v1(106.51,47.46) v1(106.51,44.92) v1(106.51,42.38) v1(106.51,39.84) v1(106.51,37.3) v1(106.51,34.76) v1(106.51,32.22) v1(106.51,29.68) v1(106.51,27.14) v1(106.51,24.6) v1(106.51,22.06) v1(106.51,19.52) v1(106.51,16.98) v1(106.51,14.44) v1(106.51,11.9) v1(106.51,9.36) v1(106.51,6.82) v1(109.05,93.18) v1(109.05,90.64) v1(109.05,88.1) v1(109.05,85.56) v1(109.05,83.02) v1(109.05,80.48) v1(109.05,77.94) v1(109.05,75.4) v1(109.05,72.86) v1(109.05,70.32) v1(109.05,67.78) v1(109.05,65.24) v1(109.05,62.7) v1(109.05,60.16) v1(109.05,57.62) v1(109.05,55.08) v1(109.05,52.54) v1(109.05,50) v1(109.05,47.46) v1(109.05,44.92) v1(109.05,42.38) v1(109.05,39.84) v1(109.05,37.3) v1(109.05,34.76) v1(109.05,32.22) v1(109.05,29.68) v1(109.05,27.14) v1(109.05,24.6) v1(109.05,22.06) v1(109.05,19.52) v1(109.05,16.98) v1(109.05,14.44) v1(109.05,11.9) v1(109.05,9.36) v1(109.05,6.82) v1(111.59,93.18) v1(111.59,90.64) v1(111.59,88.1) v1(111.59,85.56) v1(111.59,83.02) v1(111.59,80.48) v1(111.59,77.94) v1(111.59,75.4) v1(111.59,72.86) v1(111.59,70.32) v1(111.59,67.78) v1(111.59,65.24) v1(111.59,62.7) v1(111.59,60.16) v1(111.59,57.62) v1(111.59,55.08) v1(111.59,52.54) v1(111.59,50) v1(111.59,47.46) v1(111.59,44.92) v1(111.59,42.38) v1(111.59,39.84) v1(111.59,37.3) v1(111.59,34.76) v1(111.59,32.22) v1(111.59,29.68) v1(111.59,27.14) v1(111.59,24.6) v1(111.59,22.06) v1(111.59,19.52) v1(111.59,16.98) v1(111.59,14.44) v1(111.59,11.9) v1(111.59,9.36) v1(111.59,6.82) v1(114.13,93.18) v1(114.13,90.64) v1(114.13,88.1) v1(114.13,85.56) v1(114.13,83.02) v1(114.13,80.48) v1(114.13,77.94) v1(114.13,75.4) v1(114.13,72.86) v1(114.13,70.32) v1(114.13,67.78) v1(114.13,65.24) v1(114.13,62.7) v1(114.13,60.16) v1(114.13,57.62) v1(114.13,55.08) v1(114.13,52.54) v1(114.13,50) v1(114.13,47.46) v1(114.13,44.92) v1(114.13,42.38) v1(114.13,39.84) v1(114.13,37.3) v1(114.13,34.76) v1(114.13,32.22) v1(114.13,29.68) v1(114.13,27.14) v1(114.13,24.6) v1(114.13,22.06) v1(114.13,19.52) v1(114.13,16.98) v1(114.13,14.44) v1(114.13,11.9) v1(114.13,9.36) v1(114.13,6.82) v1(116.67,93.18) v1(116.67,90.64) v1(116.67,88.1) v1(116.67,85.56) v1(116.67,83.02) v1(116.67,80.48) v1(116.67,77.94) v1(116.67,75.4) v1(116.67,72.86) v1(116.67,70.32) v1(116.67,67.78) v1(116.67,65.24) v1(116.67,62.7) v1(116.67,60.16) v1(116.67,57.62) v1(116.67,55.08) v1(116.67,52.54) v1(116.67,50) v1(116.67,47.46) v1(116.67,44.92) v1(116.67,42.38) v1(116.67,39.84) v1(116.67,37.3) v1(116.67,34.76) v1(116.67,32.22) v1(116.67,29.68) v1(116.67,27.14) v1(116.67,24.6) v1(116.67,22.06) v1(116.67,19.52) v1(116.67,16.98) v1(116.67,14.44) v1(116.67,11.9) v1(116.67,9.36) v1(116.67,6.82) v1(119.21,93.18) v1(119.21,90.64) v1(119.21,88.1) v1(119.21,85.56) v1(119.21,83.02) v1(119.21,80.48) v1(119.21,77.94) v1(119.21,75.4) v1(119.21,72.86) v1(119.21,70.32) v1(119.21,67.78) v1(119.21,65.24) v1(119.21,62.7) v1(119.21,60.16) v1(119.21,57.62) v1(119.21,55.08) v1(119.21,52.54) v1(119.21,50) v1(119.21,47.46) v1(119.21,44.92) v1(119.21,42.38) v1(119.21,39.84) v1(119.21,37.3) v1(119.21,34.76) v1(119.21,32.22) v1(119.21,29.68) v1(119.21,27.14) v1(119.21,24.6) v1(119.21,22.06) v1(119.21,19.52) v1(119.21,16.98) v1(119.21,14.44) v1(119.21,11.9) v1(119.21,9.36) v1(119.21,6.82) v1(121.75,93.18) v1(121.75,90.64) v1(121.75,88.1) v1(121.75,85.56) v1(121.75,83.02) v1(121.75,80.48) v1(121.75,77.94) v1(121.75,75.4) v1(121.75,72.86) v1(121.75,70.32) v1(121.75,67.78) v1(121.75,65.24) v1(121.75,62.7) v1(121.75,60.16) v1(121.75,57.62) v1(121.75,55.08) v1(121.75,52.54) v1(121.75,50) v1(121.75,47.46) v1(121.75,44.92) v1(121.75,42.38) v1(121.75,39.84) v1(121.75,37.3) v1(121.75,34.76) v1(121.75,32.22) v1(121.75,29.68) v1(121.75,27.14) v1(121.75,24.6) v1(121.75,22.06) v1(121.75,19.52) v1(121.75,16.98) v1(121.75,14.44) v1(121.75,11.9) v1(121.75,9.36) v1(121.75,6.82) v1(124.29,93.18) v1(124.29,90.64) v1(124.29,88.1) v1(124.29,85.56) v1(124.29,83.02) v1(124.29,80.48) v1(124.29,77.94) v1(124.29,75.4) v1(124.29,72.86) v1(124.29,70.32) v1(124.29,67.78) v1(124.29,65.24) v1(124.29,62.7) v1(124.29,60.16) v1(124.29,57.62) v1(124.29,55.08) v1(124.29,52.54) v1(124.29,50) v1(124.29,47.46) v1(124.29,44.92) v1(124.29,42.38) v1(124.29,39.84) v1(124.29,37.3) v1(124.29,34.76) v1(124.29,32.22) v1(124.29,29.68) v1(124.29,27.14) v1(124.29,24.6) v1(124.29,22.06) v1(124.29,19.52) v1(124.29,16.98) v1(124.29,14.44) v1(124.29,11.9) v1(124.29,9.36) v1(124.29,6.82) v1(126.83,93.18) v1(126.83,90.64) v1(126.83,88.1) v1(126.83,85.56) v1(126.83,83.02) v1(126.83,80.48) v1(126.83,77.94) v1(126.83,75.4) v1(126.83,72.86) v1(126.83,70.32) v1(126.83,67.78) v1(126.83,65.24) v1(126.83,62.7) v1(126.83,60.16) v1(126.83,57.62) v1(126.83,55.08) v1(126.83,52.54) v1(126.83,50) v1(126.83,47.46) v1(126.83,44.92) v1(126.83,42.38) v1(126.83,39.84) v1(126.83,37.3) v1(126.83,34.76) v1(126.83,32.22) v1(126.83,29.68) v1(126.83,27.14) v1(126.83,24.6) v1(126.83,22.06) v1(126.83,19.52) v1(126.83,16.98) v1(126.83,14.44) v1(126.83,11.9) v1(126.83,9.36) v1(126.83,6.82) v1(129.37,93.18) v1(129.37,90.64) v1(129.37,88.1) v1(129.37,85.56) v1(129.37,83.02) v1(129.37,80.48) v1(129.37,77.94) v1(129.37,75.4) v1(129.37,72.86) v1(129.37,70.32) v1(129.37,67.78) v1(129.37,65.24) v1(129.37,62.7) v1(129.37,60.16) v1(129.37,57.62) v1(129.37,55.08) v1(129.37,52.54) v1(129.37,50) v1(129.37,47.46) v1(129.37,44.92) v1(129.37,42.38) v1(129.37,39.84) v1(129.37,37.3) v1(129.37,34.76) v1(129.37,32.22) v1(129.37,29.68) v1(129.37,27.14) v1(129.37,24.6) v1(129.37,22.06) v1(129.37,19.52) v1(129.37,16.98) v1(129.37,14.44) v1(129.37,11.9) v1(129.37,9.36) v1(129.37,6.82) v1(131.91,93.18) v1(131.91,90.64) v1(131.91,88.1) v1(131.91,85.56) v1(131.91,83.02) v1(131.91,80.48) v1(131.91,77.94) v1(131.91,75.4) v1(131.91,72.86) v1(131.91,70.32) v1(131.91,67.78) v1(131.91,65.24) v1(131.91,62.7) v1(131.91,60.16) v1(131.91,57.62) v1(131.91,55.08) v1(131.91,52.54) v1(131.91,50) v1(131.91,47.46) v1(131.91,44.92) v1(131.91,42.38) v1(131.91,39.84) v1(131.91,37.3) v1(131.91,34.76) v1(131.91,32.22) v1(131.91,29.68) v1(131.91,27.14) v1(131.91,24.6) v1(131.91,22.06) v1(131.91,19.52) v1(131.91,16.98) v1(131.91,14.44) v1(131.91,11.9) v1(131.91,9.36) v1(131.91,6.82) v1(134.45,93.18) v1(134.45,90.64) v1(134.45,88.1) v1(134.45,85.56) v1(134.45,83.02) v1(134.45,80.48) v1(134.45,77.94) v1(134.45,75.4) v1(134.45,72.86) v1(134.45,70.32) v1(134.45,67.78) v1(134.45,65.24) v1(134.45,62.7) v1(134.45,60.16) v1(134.45,57.62) v1(134.45,55.08) v1(134.45,52.54) v1(134.45,50) v1(134.45,47.46) v1(134.45,44.92) v1(134.45,42.38) v1(134.45,39.84) v1(134.45,37.3) v1(134.45,34.76) v1(134.45,32.22) v1(134.45,29.68) v1(134.45,27.14) v1(134.45,24.6) v1(134.45,22.06) v1(134.45,19.52) v1(134.45,16.98) v1(134.45,14.44) v1(134.45,11.9) v1(134.45,9.36) v1(134.45,6.82) v1(136.99,93.18) v1(136.99,90.64) v1(136.99,88.1) v1(136.99,85.56) v1(136.99,83.02) v1(136.99,80.48) v1(136.99,77.94) v1(136.99,75.4) v1(136.99,72.86) v1(136.99,70.32) v1(136.99,67.78) v1(136.99,65.24) v1(136.99,62.7) v1(136.99,60.16) v1(136.99,57.62) v1(136.99,55.08) v1(136.99,52.54) v1(136.99,50) v1(136.99,47.46) v1(136.99,44.92) v1(136.99,42.38) v1(136.99,39.84) v1(136.99,37.3) v1(136.99,34.76) v1(136.99,32.22) v1(136.99,29.68) v1(136.99,27.14) v1(136.99,24.6) v1(136.99,22.06) v1(136.99,19.52) v1(136.99,16.98) v1(136.99,14.44) v1(136.99,11.9) v1(136.99,9.36) v1(136.99,6.82) v1(139.53,93.18) v1(139.53,90.64) v1(139.53,88.1) v1(139.53,85.56) v1(139.53,83.02) v1(139.53,80.48) v1(139.53,77.94) v1(139.53,75.4) v1(139.53,72.86) v1(139.53,70.32) v1(139.53,67.78) v1(139.53,65.24) v1(139.53,62.7) v1(139.53,60.16) v1(139.53,57.62) v1(139.53,55.08) v1(139.53,52.54) v1(139.53,50) v1(139.53,47.46) v1(139.53,44.92) v1(139.53,42.38) v1(139.53,39.84) v1(139.53,37.3) v1(139.53,34.76) v1(139.53,32.22) v1(139.53,29.68) v1(139.53,27.14) v1(139.53,24.6) v1(139.53,22.06) v1(139.53,19.52) v1(139.53,16.98) v1(139.53,14.44) v1(139.53,11.9) v1(139.53,9.36) v1(139.53,6.82) v1(142.07,93.18) v1(142.07,90.64) v1(142.07,88.1) v1(142.07,85.56) v1(142.07,83.02) v1(142.07,80.48) v1(142.07,77.94) v1(142.07,75.4) v1(142.07,72.86) v1(142.07,70.32) v1(142.07,67.78) v1(142.07,65.24) v1(142.07,62.7) v1(142.07,60.16) v1(142.07,57.62) v1(142.07,55.08) v1(142.07,52.54) v1(142.07,50) v1(142.07,47.46) v1(142.07,44.92) v1(142.07,42.38) v1(142.07,39.84) v1(142.07,37.3) v1(142.07,34.76) v1(142.07,32.22) v1(142.07,29.68) v1(142.07,27.14) v1(142.07,24.6) v1(142.07,22.06) v1(142.07,19.52) v1(142.07,16.98) v1(142.07,14.44) v1(142.07,11.9) v1(142.07,9.36) v1(142.07,6.82) v1(144.61,93.18) v1(144.61,90.64) v1(144.61,88.1) v1(144.61,85.56) v1(144.61,83.02) v1(144.61,80.48) v1(144.61,77.94) v1(144.61,75.4) v1(144.61,72.86) v1(144.61,70.32) v1(144.61,67.78) v1(144.61,65.24) v1(144.61,62.7) v1(144.61,60.16) v1(144.61,57.62) v1(144.61,55.08) v1(144.61,52.54) v1(144.61,50) v1(144.61,47.46) v1(144.61,44.92) v1(144.61,42.38) v1(144.61,39.84) v1(144.61,37.3) v1(144.61,34.76) v1(144.61,32.22) v1(144.61,29.68) v1(144.61,27.14) v1(144.61,24.6) v1(144.61,22.06) v1(144.61,19.52) v1(144.61,16.98) v1(144.61,14.44) v1(144.61,11.9) v1(144.61,9.36) v1(144.61,6.82) v1(147.15,93.18) v1(147.15,90.64) v1(147.15,88.1) v1(147.15,85.56) v1(147.15,83.02) v1(147.15,80.48) v1(147.15,77.94) v1(147.15,75.4) v1(147.15,72.86) v1(147.15,70.32) v1(147.15,67.78) v1(147.15,65.24) v1(147.15,62.7) v1(147.15,60.16) v1(147.15,57.62) v1(147.15,55.08) v1(147.15,52.54) v1(147.15,50) v1(147.15,47.46) v1(147.15,44.92) v1(147.15,42.38) v1(147.15,39.84) v1(147.15,37.3) v1(147.15,34.76) v1(147.15,32.22) v1(147.15,29.68) v1(147.15,27.14) v1(147.15,24.6) v1(147.15,22.06) v1(147.15,19.52) v1(147.15,16.98) v1(147.15,14.44) v1(147.15,11.9) v1(147.15,9.36) v1(147.15,6.82) v1(149.69,93.18) v1(149.69,90.64) v1(149.69,88.1) v1(149.69,85.56) v1(149.69,83.02) v1(149.69,80.48) v1(149.69,77.94) v1(149.69,75.4) v1(149.69,72.86) v1(149.69,70.32) v1(149.69,67.78) v1(149.69,65.24) v1(149.69,62.7) v1(149.69,60.16) v1(149.69,57.62) v1(149.69,55.08) v1(149.69,52.54) v1(149.69,50) v1(149.69,47.46) v1(149.69,44.92) v1(149.69,42.38) v1(149.69,39.84) v1(149.69,37.3) v1(149.69,34.76) v1(149.69,32.22) v1(149.69,29.68) v1(149.69,27.14) v1(149.69,24.6) v1(149.69,22.06) v1(149.69,19.52) v1(149.69,16.98) v1(149.69,14.44) v1(149.69,11.9) v1(149.69,9.36) v1(149.69,6.82) v1(152.23,93.18) v1(152.23,90.64) v1(152.23,88.1) v1(152.23,85.56) v1(152.23,83.02) v1(152.23,80.48) v1(152.23,77.94) v1(152.23,75.4) v1(152.23,72.86) v1(152.23,70.32) v1(152.23,67.78) v1(152.23,65.24) v1(152.23,62.7) v1(152.23,60.16) v1(152.23,57.62) v1(152.23,55.08) v1(152.23,52.54) v1(152.23,50) v1(152.23,47.46) v1(152.23,44.92) v1(152.23,42.38) v1(152.23,39.84) v1(152.23,37.3) v1(152.23,34.76) v1(152.23,32.22) v1(152.23,29.68) v1(152.23,27.14) v1(152.23,24.6) v1(152.23,22.06) v1(152.23,19.52) v1(152.23,16.98) v1(152.23,14.44) v1(152.23,11.9) v1(152.23,9.36) v1(152.23,6.82) v1(154.77,93.18) v1(154.77,90.64) v1(154.77,88.1) v1(154.77,85.56) v1(154.77,83.02) v1(154.77,80.48) v1(154.77,77.94) v1(154.77,75.4) v1(154.77,72.86) v1(154.77,70.32) v1(154.77,67.78) v1(154.77,65.24) v1(154.77,62.7) v1(154.77,60.16) v1(154.77,57.62) v1(154.77,55.08) v1(154.77,52.54) v1(154.77,50) v1(154.77,47.46) v1(154.77,44.92) v1(154.77,42.38) v1(154.77,39.84) v1(154.77,37.3) v1(154.77,34.76) v1(154.77,32.22) v1(154.77,29.68) v1(154.77,27.14) v1(154.77,24.6) v1(154.77,22.06) v1(154.77,19.52) v1(154.77,16.98) v1(154.77,14.44) v1(154.77,11.9) v1(154.77,9.36) v1(154.77,6.82) v1(157.31,93.18) v1(157.31,90.64) v1(157.31,88.1) v1(157.31,85.56) v1(157.31,83.02) v1(157.31,80.48) v1(157.31,77.94) v1(157.31,75.4) v1(157.31,72.86) v1(157.31,70.32) v1(157.31,67.78) v1(157.31,65.24) v1(157.31,62.7) v1(157.31,60.16) v1(157.31,57.62) v1(157.31,55.08) v1(157.31,52.54) v1(157.31,50) v1(157.31,47.46) v1(157.31,44.92) v1(157.31,42.38) v1(157.31,39.84) v1(157.31,37.3) v1(157.31,34.76) v1(157.31,32.22) v1(157.31,29.68) v1(157.31,27.14) v1(157.31,24.6) v1(157.31,22.06) v1(157.31,19.52) v1(157.31,16.98) v1(157.31,14.44) v1(157.31,11.9) v1(157.31,9.36) v1(157.31,6.82) v1(159.85,93.18) v1(159.85,90.64) v1(159.85,88.1) v1(159.85,85.56) v1(159.85,83.02) v1(159.85,80.48) v1(159.85,77.94) v1(159.85,75.4) v1(159.85,72.86) v1(159.85,70.32) v1(159.85,67.78) v1(159.85,65.24) v1(159.85,62.7) v1(159.85,60.16) v1(159.85,57.62) v1(159.85,55.08) v1(159.85,52.54) v1(159.85,50) v1(159.85,47.46) v1(159.85,44.92) v1(159.85,42.38) v1(159.85,39.84) v1(159.85,37.3) v1(159.85,34.76) v1(159.85,32.22) v1(159.85,29.68) v1(159.85,27.14) v1(159.85,24.6) v1(159.85,22.06) v1(159.85,19.52) v1(159.85,16.98) v1(159.85,14.44) v1(159.85,11.9) v1(159.85,9.36) v1(159.85,6.82)
